# KiCad board panel_rp2354_20x20.kicad_pcb (continued)
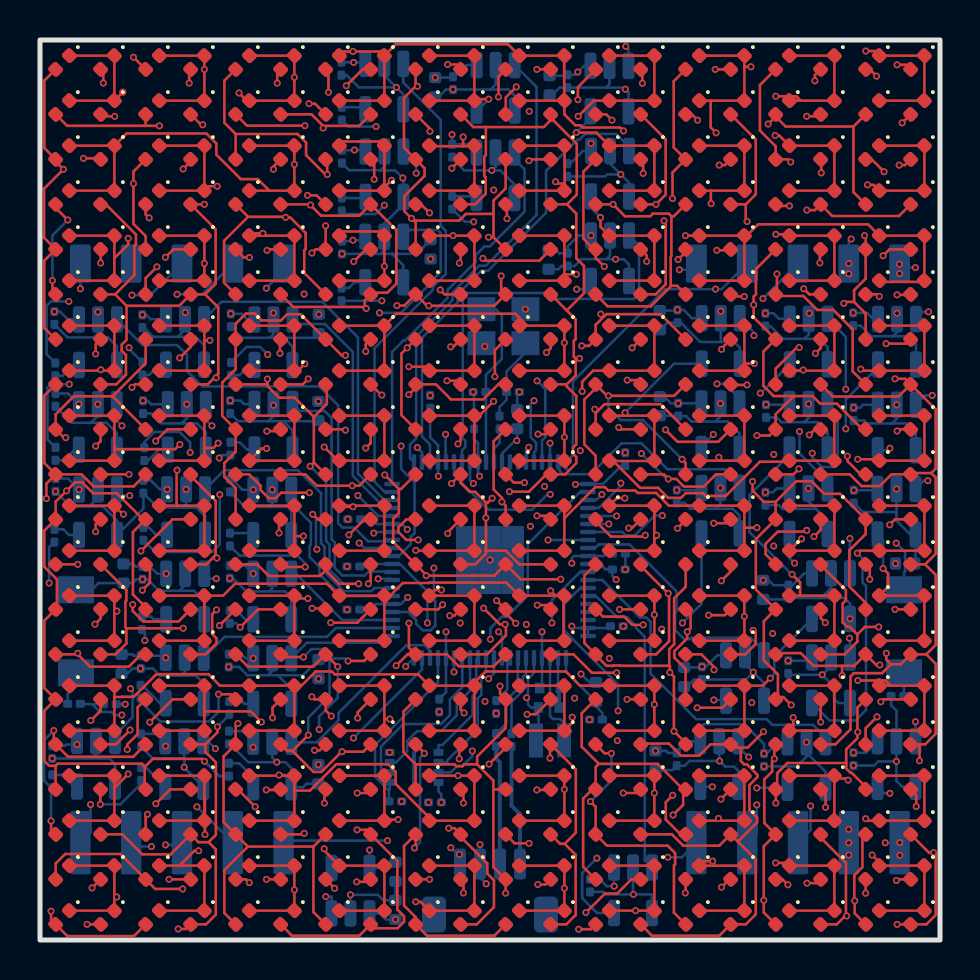
[diagram p0: board, top side]
## Routing (per net, layer and track width the routed paths; a pad name or vN(x,y) marks a point on that pad's centre or on a via; arc(x,y) is an arc through that point) (continued)
/drivers/COL_00: length 2
  Bottom w0.127: U3.5 10.66,8.13 9.95,8.83 R9.1
/drivers/COL_01: length 1.6
  Bottom w0.127: U4.5 5.31,8.61 R10.1
/drivers/COL_02: length 1.5
  Bottom w0.127: U5.5 1.7,7.67 1.12,8.25 R11.1
/drivers/COL_03: length 1.2
  Bottom w0.127: R12.1 10.1,11.92 10.22,11.81 U6.5
/drivers/COL_04: length 1.6
  Bottom w0.127: R13.1 5.1,12.73 6,11.84 U7.5
/drivers/COL_05: length 1.4
  Bottom w0.127: U8.5 10.26,16.04 9.83,16.47 R14.1
/drivers/COL_06: length 1.3
  Bottom w0.127: U9.5 5.67,16.04 5.55,16.17 R15.1
/drivers/COL_07: length 1.2
  Bottom w0.127: R16.1 10.55,20.34 U10.5
/drivers/COL_08: length 1.3
  Bottom w0.127: U11.5 5.81,20.26 5.45,20.62 R17.1
/drivers/COL_09: length 1.3
  Bottom w0.127: R18.1 1.16,20.53 1.45,20.25 U12.5
/drivers/COL_10: length 1.4
  Bottom w0.127: R19.1 9.98,24.89 10.34,24.53 U13.5
/drivers/COL_11: length 1.4
  Bottom w0.127: R20.1 5.4,23.97 5.94,24.51 U14.5
/drivers/COL_12: length 1.4
  Bottom w0.127: U15.5 1.73,24.51 1.2,23.98 0.77,23.98
/drivers/COL_13: length 1.4
  Bottom w0.127: U16.5 1.68,28.75 1.14,28.21 R22.1
/drivers/COL_14: length 1.2
  Bottom w0.127: R23.1 16.22,37.09 16.28,37.15
/drivers/COL_15: length 1.3
  Bottom w0.127: R24.1 15.44,32.6 15.73,32.89 U18.5
/drivers/COL_16: length 1.4
  Bottom w0.127: R25.1 9.97,28.23 10.48,28.75 U19.5
/drivers/COL_17: length 1.4
  Bottom w0.127: R26.1 5.45,28.25 5.97,28.77 U20.5
/drivers/COL_18: length 1.2
  Bottom w0.127: U21.5 16.16,41.64 R27.1
/drivers/COL_19: length 1.3
  Bottom w0.127: U22.5 21.74,37.19 R28.1
/drivers/COL_MCU_00: length 9.7
  Bottom w0.127: U3.3 12.59,9.88 13.83,9.88 14.93,10.98 14.93,11.35 18.32,14.74 19.22,14.74 19.5,14.46 U2.78
/drivers/COL_MCU_01: length 13.4
  In4.Cu w0.127: v1(15.67,10.1) 15.45,9.88 13.26,9.88 13.1,10.04 9.24,10.04 v1(8.77,9.57)
  Bottom w0.127: U2.79 19.1,13.53 v1(15.67,10.1) ; U4.3 8.4,9.94 v1(8.77,9.57)
/drivers/COL_MCU_02: length 17.8
  In4.Cu w0.127: v1(4.53,12.57) 4.65,12.69 17.3,12.69 v1(18.29,13.68)
  Bottom w0.127: U5.3 3.75,10.26 4.63,11.14 4.63,12.47 v1(4.53,12.57) ; v1(18.29,13.68) 18.29,13.69 U2.80
/drivers/COL_MCU_03: length 5.5
  Bottom w0.127: U2.1 17.27,14.86 13.34,14.86 U6.3
/drivers/COL_MCU_04: length 10
  Bottom w0.127: U7.3 9.23,15.16 14.35,15.16 14.79,15.6 U2.2
/drivers/COL_MCU_05: length 6
  Bottom w0.127: U8.3 12.79,18.31 15.11,16 U2.3
/drivers/COL_MCU_06: length 18
  In4.Cu w0.127: v1(19.69,18.6) 18.74,18.6 17.52,17.38 16.5,17.38 16.44,17.44 9.44,17.44 v1(8.81,18.07)
  Bottom w0.127: U9.3 8.46,18.07 v1(8.81,18.07) ; U2.4 18.4,16.4 18.81,15.99 18.81,15.81 19.13,15.48 19.53,15.48 19.76,15.72 19.76,16.93 19.69,17 v1(19.69,18.6)
/drivers/COL_MCU_07: length 8.9
  Bottom w0.127: U2.6 17.59,17.19 15.08,17.19 13.97,18.3 13.97,18.66 13.48,19.15 13.48,19.69 13.54,19.75 13.54,20.86 12.56,21.84 U10.3
/drivers/COL_MCU_08: length 14.5
  Bottom w0.127: U11.3 9.21,23.49 12.9,23.49 14.05,22.34 14.05,19.85 14.23,19.67 14.23,18.4 15.18,17.44 16.57,17.44 16.73,17.6 U2.7
/drivers/COL_MCU_09: length 17.4
  In4.Cu w0.127: v1(16.91,18.06) 16.79,18.17 15.79,18.17 15.56,17.95 10.42,17.95 9.69,18.68 8.48,18.68 6.74,20.42 4.49,20.42 3.81,21.1 3.81,21.55 v1(4.48,22.22)
  Bottom w0.127: U2.8 17.54,18.06 v1(16.91,18.06) ; v1(4.48,22.22) 4.15,22.22 U12.3
/drivers/COL_MCU_10: length 12.9
  Bottom w0.127: U2.9 17.58,18.42 16.44,18.42 16.24,18.23 15.12,18.23 14.73,18.61 14.73,19.88 14.58,20.04 14.58,26.1 14.23,26.45 12.98,26.45 U13.3
/drivers/COL_MCU_11: length 17.7
  In4.Cu w0.127: v1(18.06,24.7) 16.88,25.87 8.76,25.87 v1(8.6,25.71)
  Bottom w0.127: U2.11 17.94,19.2 18.54,19.8 18.54,20.15 18.73,20.34 18.73,22.88 18.06,23.55 v1(18.06,24.7) ; U14.3 8.29,26.01 v1(8.6,25.71)
/drivers/COL_MCU_12: length 17.5
  In4.Cu w0.127: v1(4.1,25.71) 6.83,22.98 6.83,22.46 8.15,21.14 13.27,21.14 14.56,19.85 v1(15.96,19.85)
  Bottom w0.127: v1(4.1,25.71) 3.84,25.97 U15.3 ; v1(15.96,19.85) 16.21,19.6 U2.12
/drivers/COL_MCU_13: length 22.3
  Bottom w0.127: 3.85,31.02 5.13,29.75 6.86,29.75 7.35,29.26 7.35,28.45 8.12,27.68 13.96,27.68 14.91,26.73 14.91,20.84 15.12,20.62 15.71,20.62 16.4,19.93 17.54,19.93 U2.13
/drivers/COL_MCU_14: length 21.3
  In3.Cu w0.127: v1(18.81,38.34) 18.94,38.21 18.94,35.93 18.81,35.81 18.81,25.3 18.5,24.99 18.5,22.16 v1(16.69,20.34)
  Bottom w0.127: U2.14 16.74,20.4 v1(16.69,20.34) ; 18.17,39.42 18.81,38.79 v1(18.81,38.34)
/drivers/COL_MCU_15: length 19.8
  In3.Cu w0.127: v1(16.97,31.35) 15.89,30.27 15.89,23.02 16.05,22.86 16.05,22.39 v1(15.89,22.22)
  Bottom w0.127: v1(16.97,31.35) 18.05,31.35 19.39,32.7 19.39,32.76 20.03,33.4 20.03,35.35 19.88,35.51 18.5,35.51 U18.3 ; v1(15.89,22.22) 16.92,21.2 U2.16
/drivers/COL_MCU_16: length 12.5
  Bottom w0.127: 12.62,31.02 12.85,30.8 14.24,30.8 15.64,29.4 15.64,23.2 17.24,21.6 U2.17
/drivers/COL_MCU_17: length 17.9
  Bottom w0.127: U20.3 9.07,31.91 14.12,31.91 15.9,30.13 15.9,23.32 17.22,22 U2.18
/drivers/COL_MCU_18: length 24.3
  Bottom w0.127: U2.19 17.23,22.4 16.73,22.91 16.73,29.59 19.65,32.51 19.65,32.66 20.29,33.3 20.29,35.46 20.03,35.71 20.03,41.01 18.16,42.88 U21.3
/drivers/COL_MCU_19: length 19.7
  Bottom w0.127: 23.72,39.38 23.72,39.04 24.23,38.54 24.23,36.41 22.49,34.68 22.22,34.68 21.78,34.23 21.78,33.89 20.38,32.5 20.38,32.1 18.26,29.99 18.19,29.99 17.6,29.41 U2.20
/drivers/ROW_00: length 71.2
  Top w0.127: 38.03,41.97 D381.1 D341.1 D321.1 ; 38.03,41.97 37.81,42.19 v1(36.79,42.19) ; 38.03,41.97 D361.1 ; D241.1 D261.1 D301.1 D281.1 27.69,41.97 v1(26.91,41.19) ; D61.1 D21.1 D1.1 ; D61.1 D41.1 ; D61.1 v1(4.14,42.39) ; D161.1 D181.1 D221.1 ; D221.1 D201.1 19.35,42.09 ; D221.1 21.79,42.04 v1(22.44,42.04) ; v1(9.95,42.35) 10.33,41.97 D121.1 D141.1 v1(12.72,43.13) D101.1 D81.1
  In4.Cu w0.127: v1(36.79,42.19) 35.96,41.36 27.08,41.36 v1(26.91,41.19) 26.79,41.07 23.41,41.07 v1(22.44,42.04) 16.93,42.04 15.84,43.13 v1(12.72,43.13) ; v1(9.95,42.35) 9.91,42.39 v1(4.14,42.39)
  Bottom w0.127: v1(22.44,42.04) 21.86,41.47 U23.5
/drivers/ROW_01: length 72.9
  Top w0.127: D82.1 D102.1 v1(12.72,38.78) D142.1 11.47,37.47 ; 11.47,37.47 D122.1 ; 11.47,37.47 10.89,38.04 10.04,38.04 8.82,39.27 8.82,39.82 8.32,40.33 4.33,40.33 D22.1 ; D22.1 D62.1 D42.1 ; D22.1 D2.1 ; 21.15,39.69 21.16,39.69 v1(21.16,40.15) ; 21.15,39.69 21.69,39.69 D182.1 D222.1 D202.1 ; 21.15,39.69 19.5,39.69 D162.1 ; v1(36.76,40.23) 36.96,40.23 D322.1 D342.1 D382.1 D362.1 ; D282.1 D302.1 D262.1 D242.1 27.82,40.37 v1(26.81,40.37)
  In4.Cu w0.127: 26.81,40.26 28.85,40.26 29.12,39.99 36.53,39.99 v1(36.76,40.23) ; 26.81,40.26 26.7,40.15 v1(21.16,40.15) 19.79,38.78 v1(12.72,38.78) ; 26.81,40.26 26.81,40.37 v1(26.81,40.37)
  Bottom w0.127: U24.5 27.53,41.09 v1(26.81,40.37)
/drivers/ROW_02: length 77.7
  Top w0.127: v1(4.41,35.08) 4.41,34.78 3.72,34.09 ; v1(28.03,36.13) 28.03,35.66 D243.1 D263.1 D303.1 30.72,32.97 28.47,32.97 D283.1 ; v1(11.15,35.33) 10.58,35.33 D83.1 D103.1 D143.1 D123.1 ; D363.1 D383.1 D343.1 D323.1 37.4,35.28 v1(36.79,35.28) ; D163.1 v1(20.65,35.22) D183.1 D223.1 D203.1 ; 3.72,34.09 D63.1 D43.1 ; 3.72,34.09 D23.1 D3.1
  In4.Cu w0.127: v1(4.41,35.08) 4.66,35.33 v1(11.15,35.33) 14.69,35.33 15.4,34.62 20.05,34.62 v1(20.65,35.22) 20.65,35.41 21.68,36.43 27.72,36.43 v1(28.03,36.13) 28.22,36.32 35.38,36.32 36.13,37.07 38.29,37.07 38.74,36.62 38.74,36.37 37.65,35.28 v1(36.79,35.28)
  Bottom w0.127: v1(28.03,36.13) 27.55,36.6 U25.5
/drivers/ROW_03: length 75.7
  Top w0.127: 12.72,28.54 D144.1 D124.1 ; 12.72,28.54 12.97,28.54 v1(13.24,28.81) ; 12.72,28.54 D104.1 D84.1 ; D324.1 D344.1 D384.1 38.01,28.47 ; v1(38.16,28.5) 38.04,28.5 38.01,28.47 ; D4.1 D24.1 D64.1 3.08,28.47 ; 3.08,28.47 D44.1 ; 3.08,28.47 v1(3.04,28.51) ; 38.01,28.47 D364.1 ; v1(27.11,27.43) 27.11,27.91 27.66,28.47 D284.1 D304.1 D264.1 D244.1 ; v1(18.44,28.66) 19.27,28.66 D204.1 D224.1 D184.1 D164.1
  In4.Cu w0.127: 13.24,28.66 v1(13.24,28.81) ; 13.24,28.66 13.09,28.51 v1(3.04,28.51) ; 13.24,28.66 v1(18.44,28.66) 19.51,27.6 21.34,27.6 21.51,27.77 22.91,27.77 24.13,26.55 26.23,26.55 v1(27.11,27.43) 27.63,26.9 27.89,26.9 27.95,26.84 28.88,26.84 29.38,27.34 v1(36.01,27.34)
  Bottom w0.127: v1(36.01,27.34) 36.04,27.34 U26.5 37.78,28.5 v1(38.16,28.5)
/drivers/ROW_04: length 82.6
  Top w0.127: D185.1 D225.1 D205.1 ; D185.1 21.96,26.22 v1(22.68,26.93) ; D185.1 D165.1 ; 3.72,24.63 3.81,24.54 6.76,24.54 v1(6.99,24.78) ; 3.72,24.63 D25.1 D5.1 ; 3.72,24.63 D65.1 D45.1 ; D325.1 D345.1 D385.1 D365.1 37.41,23.91 36,23.91 34.29,22.2 33.29,22.2 33.15,22.34 32.29,22.34 32.05,22.11 31.41,22.11 30.9,22.61 30,22.61 28.66,23.95 28.49,23.95 ; 28.49,23.95 30.7,23.95 D305.1 D265.1 29.32,26.22 ; 28.49,23.95 D285.1 ; 29.32,26.22 29.25,26.29 v1(29.25,26.36) ; 29.32,26.22 D245.1 ; v1(11.33,24.58) 11.08,24.58 D125.1 D145.1 D105.1 D85.1
  In4.Cu w0.127: 8.21,25.03 8.21,25.88 8.68,26.35 22.09,26.35 v1(22.68,26.93) 23.44,26.17 27.89,26.17 28.08,26.36 v1(29.25,26.36) ; 8.21,25.03 8.76,24.48 11.23,24.48 v1(11.33,24.58) ; 8.21,25.03 7.25,25.03 v1(6.99,24.78)
  Bottom w0.127: U27.5 31.7,28.81 v1(29.25,26.36)
/drivers/ROW_05: length 86.6
  Top w0.127: D326.1 D346.1 D386.1 D366.1 38.06,20.06 v1(38.08,20.06) ; D6.1 D26.1 ; D26.1 4.15,21.29 v1(4.17,21.29) ; D26.1 D66.1 D46.1 ; D126.1 D146.1 12.72,20.2 ; v1(30.83,20.24) 30.83,20.14 30.72,20.03 ; 30.72,20.03 D306.1 D286.1 ; 30.72,20.03 D266.1 D246.1 28.84,22.09 v1(29.24,22.09) ; 12.72,20.2 D106.1 D86.1 ; 12.72,20.2 v1(13.17,20.2) ; v1(18.79,19.48) 18.81,19.47 D206.1 D226.1 D186.1 D166.1
  In3.Cu w0.127: v1(26.83,32.54) 27.47,31.9 27.47,26.79 27.37,26.69 27.37,26.39 27.63,26.13 27.63,23.7 v1(29.24,22.09)
  In4.Cu w0.127: v1(29.24,22.09) 28.88,22.09 27.74,23.24 23.11,23.24 21.76,21.88 21.4,21.88 19,19.48 v1(18.79,19.48) 18.48,19.17 13.69,19.17 13.17,19.69 v1(13.17,20.2) 12.65,20.72 4.75,20.72 v1(4.17,21.29) ; v1(38.08,20.06) 36.93,21.21 33.01,21.21 31.95,20.14 30.92,20.14 v1(30.83,20.24)
  Bottom w0.127: U28.5 27.14,32.54 v1(26.83,32.54)
/drivers/ROW_06: length 83.1
  Top w0.127: 3.72,16.32 D27.1 D7.1 ; 3.72,16.32 v1(3.84,16.45) ; 3.72,16.32 D67.1 D47.1 ; D127.1 D147.1 D107.1 ; D207.1 D227.1 D187.1 D167.1 19.75,17.5 v1(20.07,17.5) ; D247.1 D267.1 v1(30.72,16.26) D307.1 D287.1 ; D327.1 38.01,17.22 ; 38.01,17.22 38.01,17.88 v1(37.6,18.28) ; 38.01,17.22 D347.1 D387.1 D367.1 ; v1(13.4,17.08) 12.86,17.08 D107.1 ; D107.1 D87.1
  In4.Cu w0.127: v1(3.84,16.45) 3.84,16.5 4.48,17.14 4.79,17.14 4.85,17.08 v1(13.4,17.08) 17.58,17.08 18,17.5 v1(20.07,17.5) 21.92,17.5 24.83,20.41 26.48,20.41 27.92,18.97 30.17,18.97 30.72,18.43 ; 30.72,18.43 37.46,18.43 v1(37.6,18.28) ; 30.72,18.43 v1(30.72,16.26)
  Bottom w0.127: v1(37.6,18.28) 37.59,18.28 35.48,20.39 35.48,22.26 37.47,24.25 U29.5
/drivers/ROW_07: length 79.6
  Top w0.127: D128.1 D148.1 12.72,12.45 ; D288.1 D308.1 v1(30.72,11.78) D268.1 D248.1 27,12.72 26.29,13.43 22.28,13.43 21.72,12.87 D188.1 ; 12.72,12.45 D108.1 D88.1 9,12.72 8.42,13.29 5.82,13.29 4.69,12.16 4.11,12.16 4.1,12.15 3.72,12.15 ; 12.72,12.45 12.8,12.45 13.78,13.43 14.59,13.43 14.74,13.28 18.9,13.28 D168.1 D188.1 ; D188.1 D228.1 D208.1 ; 3.72,12.15 D28.1 D8.1 ; 3.72,12.15 D68.1 D48.1 ; D328.1 D348.1 D388.1 D368.1 37.66,10.66 v1(37.66,11.12)
  In3.Cu w0.127: v1(35.59,11.87) 34.82,12.63 34.82,24.12 v1(33.66,25.28)
  In4.Cu w0.127: v1(30.72,11.78) 30.92,11.98 33.01,11.98 33.35,11.64 35.36,11.64 v1(35.59,11.87) 36.91,11.87 v1(37.66,11.12)
  Bottom w0.127: U30.5 33.08,24.69 v1(33.66,25.28)
/drivers/ROW_08: length 95.4
  Top w0.127: 3.72,7.66 3.77,7.66 v1(4.41,8.3) ; 3.72,7.66 D69.1 D49.1 ; 3.72,7.66 D29.1 D9.1 ; D369.1 D389.1 39.72,8.07 ; v1(40.41,7.99) 40.33,8.07 39.72,8.07 ; D169.1 v1(20.9,8.22) D189.1 D229.1 D209.1 19.47,6.12 17.78,7.8 17.78,8.41 17.4,8.79 14.81,8.79 13.49,7.47 12.72,7.47 ; 12.72,7.47 D109.1 12.22,8.22 ; 12.72,7.47 D149.1 D129.1 ; D249.1 D269.1 v1(30.72,7.35) D309.1 D289.1 ; v1(11.95,8.25) 12.19,8.25 12.22,8.22 ; 12.22,8.22 D89.1 ; 39.72,8.07 D349.1 D329.1
  In3.Cu w0.127: v1(40.41,7.99) 40.46,7.99 41.25,8.78 41.25,10.55 41.11,10.69 41.11,12.36 41.26,12.51 41.26,13.72 40.87,14.11 40.87,18.78 41.26,19.17 41.26,24.59 v1(40.29,25.55)
  In4.Cu w0.127: v1(20.9,8.22) 29.85,8.22 v1(30.72,7.35) 30.97,7.6 31.79,7.6 32.09,7.3 33.78,7.3 33.9,7.41 35.52,7.41 35.69,7.23 39.65,7.23 v1(40.41,7.99) ; v1(4.41,8.3) 4.46,8.25 v1(11.95,8.25)
  Bottom w0.127: 41.9,28.78 41.9,28.63 40.29,27.02 v1(40.29,25.55)
/drivers/ROW_09: length 88.1
  Top w0.127: D130.1 D150.1 v1(12.72,2.51) D110.1 D90.1 ; D50.1 D70.1 3.72,2.03 ; 3.72,2.03 v1(3.84,2.15) ; 3.72,2.03 D30.1 D10.1 ; v1(18.79,1.91) 19.02,1.91 D210.1 D230.1 D190.1 D170.1 ; D250.1 D270.1 D310.1 v1(29.78,1.47) D290.1 ; v1(36.78,3.86) 37.33,3.86 D330.1 D350.1 D390.1 D370.1
  In3.Cu w0.127: v1(36.78,3.86) 38.91,5.98 38.91,9.91 38.03,10.79 38.03,18.55 v1(37.73,18.84)
  In4.Cu w0.127: v1(3.84,2.15) 12.36,2.15 v1(12.72,2.51) 13.45,1.78 18.65,1.78 v1(18.79,1.91) 29.43,1.91 29.78,1.56 ; v1(36.78,3.86) 34.48,1.56 29.78,1.56 ; 29.78,1.56 v1(29.78,1.47)
  Bottom w0.127: v1(37.73,18.84) 37.47,19.1 U32.5
/drivers/ROW_10: length 90.8
  Top w0.127: D51.1 D71.1 D31.1 6.97,3.72 ; 42.14,3.72 v1(41.61,4.25) ; 42.14,3.72 D351.1 D391.1 D371.1 ; 42.14,3.72 D331.1 ; D131.1 D151.1 D111.1 D91.1 14.21,4.48 v1(14.21,4.56) ; D211.1 D231.1 v1(26.22,2.59) D191.1 D171.1 ; 6.97,3.72 7.71,4.46 v1(7.93,4.46) ; 6.97,3.72 D11.1 ; v1(33.63,3.94) 33.19,3.94 D251.1 D271.1 D311.1 D291.1
  In3.Cu w0.127: v1(32.12,15.85) 31.86,15.59 31.86,11.38 32.15,11.09 32.15,5.43 v1(33.63,3.94)
  In4.Cu w0.127: v1(7.93,4.46) 8.03,4.56 v1(14.21,4.56) 14.87,3.9 24.91,3.9 v1(26.22,2.59) 27.35,3.72 33.41,3.72 v1(33.63,3.94) 33.92,4.23 36.98,4.23 37.33,3.88 41.24,3.88 v1(41.61,4.25)
  Bottom w0.127: v1(32.12,15.85) 33.08,16.81 U33.5
/drivers/ROW_11: length 92.4
  Top w0.127: D212.1 D232.1 v1(26.22,7.53) D192.1 D172.1 ; 33.92,5.97 D312.1 D272.1 D252.1 ; 33.92,5.97 v1(33.92,6.08) ; 33.92,5.97 D292.1 ; D152.1 D112.1 D92.1 ; D152.1 D132.1 ; D152.1 17.27,6.02 v1(17.9,6.02) ; D12.1 D32.1 8.22,7.09 ; 8.22,7.09 8.25,7.06 v1(8.25,5.27) ; 8.22,7.09 D72.1 D52.1 ; D332.1 D352.1 D392.1 D372.1 41.38,5.97 v1(41.29,6.06)
  In3.Cu w0.127: v1(42.5,24.59) 43.19,23.89 43.19,16.08 43.11,16 43.11,15.7 43.19,15.62 43.19,7.47 41.78,6.06 v1(41.29,6.06)
  In4.Cu w0.127: v1(8.25,5.27) 9,6.02 v1(17.9,6.02) 24.71,6.02 v1(26.22,7.53) 27.22,6.53 27.73,6.53 27.81,6.62 33.39,6.62 v1(33.92,6.08) 33.94,6.06 v1(41.29,6.06)
  Bottom w0.127: v1(42.5,24.59) 42.39,24.49 U34.5
/drivers/ROW_12: length 76.4
  Top w0.127: D373.1 D393.1 D353.1 42.53,12.72 ; D53.1 D73.1 8.22,11.43 ; 8.22,11.43 D33.1 D13.1 ; 8.22,11.43 10.54,11.43 v1(11.07,10.9) ; v1(36.51,13.09) 36.14,12.72 D273.1 ; D273.1 D313.1 D293.1 ; D273.1 D253.1 ; 17.22,11.05 D113.1 D93.1 ; 17.22,11.05 D153.1 D133.1 ; 17.22,11.05 v1(17.5,11.05) ; D333.1 42.53,12.72 ; 42.53,12.72 42.27,12.98 v1(40.89,12.98) ; v1(26.61,11.14) 26.61,10.86 D233.1 ; D233.1 D213.1 ; D233.1 D193.1 D173.1
  In4.Cu w0.127: v1(11.07,10.9) 11.26,10.71 13,10.71 13.19,10.89 14.11,10.89 14.29,10.71 17.24,10.71 17.5,10.97 ; 17.5,10.97 17.58,10.89 26.36,10.89 v1(26.61,11.14) 28.35,12.88 36.51,12.88 ; 17.5,10.97 v1(17.5,11.05) ; 36.51,12.88 36.59,12.8 40.72,12.8 v1(40.89,12.98) ; 36.51,12.88 v1(36.51,13.09)
  Bottom w0.127: U35.5 36.72,14.17 36.72,13.29 v1(36.51,13.09)
/drivers/ROW_13: length 78.8
  Top w0.127: D54.1 D74.1 D34.1 ; v1(42.15,18.58) 42.41,18.32 42.41,17.66 D334.1 D354.1 D394.1 D374.1 ; 14.94,15 D134.1 D154.1 17.22,16.93 ; 17.22,16.93 18.14,17.85 19.46,17.85 19.48,17.87 23.32,17.87 D174.1 25.77,17.22 ; 17.22,16.93 D114.1 D94.1 14.95,17.2 ; D214.1 D234.1 26.18,15.01 26.18,17.18 D194.1 25.77,17.22 ; 35.22,16.18 D314.1 D294.1 ; 35.22,16.18 v1(35.22,16.18) ; 35.22,16.18 D274.1 D254.1 ; D34.1 9.16,17.22 9.75,17.81 14.34,17.81 14.95,17.2 ; D34.1 D14.1 ; 14.95,17.2 14.94,17.19 ; 25.77,17.22 v1(25.53,17.46)
  In4.Cu w0.127: 40.91,16.45 42.15,17.7 v1(42.15,18.58) ; 40.91,16.45 40.91,15.02 40.6,14.71 28.28,14.71 v1(25.53,17.46) ; 40.91,16.45 35.49,16.45 v1(35.22,16.18)
  Bottom w0.127: v1(42.15,18.58) 42.15,20 41.88,20.28
/drivers/ROW_14: length 98.5
  Top w0.127: 6.83,21.72 D35.1 D75.1 D55.1 ; 6.83,21.72 D15.1 ; 6.83,21.72 6.83,23.47 v1(6.85,23.49) ; 35.22,20.61 D315.1 D295.1 ; 35.22,20.61 D275.1 D255.1 31.44,21.72 30.8,22.35 29.88,22.35 29.76,22.47 28.42,22.47 28.25,22.64 27.77,22.64 26.22,21.09 ; 35.22,20.61 v1(35.85,20.61) ; 26.22,21.09 D235.1 D215.1 ; 26.22,21.09 D195.1 D175.1 ; D135.1 D155.1 D115.1 D95.1 15.02,21.66 v1(15.65,21.66) ; v1(40.86,19.34) 40.99,19.47 D375.1 D395.1 D355.1 D335.1
  In4.Cu w0.127: v1(40.86,19.34) 38.32,19.34 38.07,19.6 37.45,19.6 36.44,20.61 v1(35.85,20.61) 35.1,19.87 28.81,19.87 28.04,20.65 28.04,20.92 28.68,21.56 29.3,21.56 29.65,21.91 29.65,22.22 29.41,22.47 28.87,22.47 27.84,23.49 22.85,23.49 21.82,22.46 16.64,22.46 15.85,21.66 v1(15.65,21.66) 14.37,22.94 7.4,22.94 v1(6.85,23.49)
  Bottom w0.127: v1(40.86,19.34) 41.12,19.08 41.12,17.88 41.3,17.71 41.3,11.5 40.78,10.98 39.47,10.98 U37.5
/drivers/ROW_15: length 84.4
  Top w0.127: 8.22,24.6 8.67,24.6 v1(8.91,24.84) ; 8.22,24.6 D76.1 D56.1 ; 8.22,24.6 D36.1 D16.1 ; D216.1 D236.1 v1(26.22,25.14) D196.1 D176.1 ; D256.1 D276.1 D316.1 33.94,23.97 ; 33.94,23.97 D296.1 ; 33.94,23.97 v1(33.94,24.14) ; v1(14.21,24.65) 14.89,23.97 D136.1 D156.1 D116.1 D96.1 ; v1(40.89,24.04) 41.9,24.04 D376.1 D396.1 D356.1 D336.1
  In3.Cu w0.127: v1(33.94,24.14) 34.44,23.64 34.44,12.75 v1(33.69,12)
  In4.Cu w0.127: v1(40.89,24.04) 40.89,24.2 40.33,24.76 33.94,24.76 ; 33.94,24.76 v1(33.94,24.14) ; 33.94,24.76 30.67,24.76 30.41,25.01 26.22,25.01 ; 14.21,25.02 17.22,25.02 17.98,24.26 25.46,24.26 26.22,25.01 ; 14.21,25.02 v1(14.21,24.65) ; 14.21,25.02 9.08,25.02 v1(8.91,24.84) ; 26.22,25.01 v1(26.22,25.14)
  Bottom w0.127: U38.5 34.26,12 v1(33.69,12)
/drivers/ROW_16: length 99.9
  Top w0.127: 24.36,30.72 23.77,31.31 17.81,31.31 D117.1 ; 24.36,30.72 D177.1 ; 24.36,30.72 D197.1 v1(26.22,29.86) D237.1 D217.1 ; D57.1 D77.1 8.22,29.98 ; D257.1 D277.1 35.22,28.82 ; D137.1 D157.1 D117.1 ; v1(8.49,29.98) 8.22,29.98 ; 8.22,29.98 D37.1 D17.1 ; D297.1 D317.1 35.22,28.82 ; 35.22,28.82 v1(35.72,28.82) ; D337.1 D357.1 D397.1 D377.1 41.12,28.47 v1(41.04,28.54) ; D117.1 D97.1
  In3.Cu w0.127: v1(42.49,7.33) 41.5,8.32 41.5,10.66 41.36,10.8 41.36,12.25 41.55,12.44 41.55,13.78 41.12,14.21 41.12,18.68 41.55,19.11 41.55,28.03 v1(41.04,28.54)
  In4.Cu w0.127: v1(8.49,29.98) 8.85,30.34 25.74,30.34 v1(26.22,29.86) 26.44,30.09 34.45,30.09 v1(35.72,28.82) 35.8,28.91 40.68,28.91 v1(41.04,28.54)
  Bottom w0.127: v1(42.49,7.33) 42.2,7.33 U39.5
/drivers/ROW_17: length 103.1
  Top w0.127: 35.22,35.1 D278.1 D258.1 32.97,35.22 v1(32.27,35.22) ; 35.22,35.1 35.91,35.78 41.4,35.78 D338.1 D358.1 D398.1 44.16,32.91 42.03,32.91 D378.1 ; 35.22,35.1 D318.1 D298.1 ; D178.1 D198.1 26.22,35.22 26.22,33.28 ; 26.22,33.28 v1(26.82,33.28) ; 26.22,33.28 26.22,32.97 D238.1 D218.1 ; D18.1 D38.1 v1(8.22,33.83) D78.1 D58.1 ; 14.97,35.02 D98.1 15.18,35.43 17.01,35.43 D118.1 v1(17.22,33.69) D158.1 D138.1
  In3.Cu w0.127: v1(32.27,35.22) 32.27,36.14 33.36,37.23 33.77,37.23 34.82,36.17 34.82,25.63 35.08,25.37 35.08,18.55 35.58,18.05 35.58,16.08 36.03,15.64 36.03,10.78 35.8,10.56 35.8,7.64 v1(35.84,7.6)
  In4.Cu w0.127: v1(32.27,35.22) 28.75,35.22 v1(26.82,33.28) 26.53,33.57 22.91,33.57 22.81,33.47 17.43,33.47 v1(17.22,33.69) 17.05,33.52 8.53,33.52 v1(8.22,33.83)
  Bottom w0.127: U40.5 35.85,7.61 v1(35.84,7.6)
/drivers/ROW_18: length 101.8
  Top w0.127: 8.22,37.69 D39.1 D19.1 ; 8.22,37.69 D79.1 D59.1 ; 8.22,37.69 v1(8.86,37.69) ; v1(33.55,36.82) 33.54,36.83 33.54,37.47 ; D99.1 15.18,39.93 17.01,39.93 D119.1 17.22,37.63 ; 26.23,37.82 26.23,39.71 D199.1 D179.1 ; 26.23,37.82 25.87,37.82 v1(25.78,37.91) ; 26.23,37.82 26.23,37.48 D239.1 D219.1 ; 33.54,37.47 D319.1 D279.1 D259.1 ; 33.54,37.47 D299.1 ; v1(41.37,37.76) 41.68,37.76 D379.1 D399.1 D359.1 D339.1 ; 17.22,37.63 v1(17.57,37.99) ; 17.22,37.63 D159.1 D139.1
  In3.Cu w0.127: v1(33.62,7.66) 32.47,8.81 32.47,11.13 32.11,11.48 32.11,14.65 32.74,15.28 32.74,36.01 v1(33.55,36.82)
  In4.Cu w0.127: v1(33.55,36.82) 33.29,37.08 33.29,37.32 ; 33.29,37.32 33.62,37.65 41.27,37.65 v1(41.37,37.76) ; 33.29,37.32 32.75,37.86 25.78,37.86 ; 25.78,37.86 22.53,37.86 22.36,37.69 17.87,37.69 v1(17.57,37.99) 17.26,37.67 8.88,37.67 v1(8.86,37.69) ; 25.78,37.86 v1(25.78,37.91)
  Bottom w0.127: U41.5 v1(33.62,7.66)
/drivers/ROW_19: length 110.9
  Top w0.127: 33.53,41.97 D320.1 35.22,43.66 ; 33.53,41.97 33.53,40.63 v1(33.81,40.36) ; 33.53,41.97 D300.1 ; D120.1 D160.1 D140.1 ; D120.1 17.01,44.43 v1(15.65,44.43) 15.18,44.43 D100.1 ; D120.1 17.79,44.79 23.39,44.79 D180.1 D200.1 26.21,44.21 26.21,41.98 D240.1 ; v1(41.29,44.45) 41.74,44.45 D340.1 D360.1 D400.1 D380.1 ; D240.1 26.22,41.28 26.76,40.74 27.02,40.74 27.13,40.62 29.01,40.62 v1(29.18,40.46) ; D240.1 D220.1 ; D20.1 D40.1 v1(8.22,43.53) D80.1 D60.1 ; D260.1 D280.1 35.22,43.66 ; 35.22,43.66 v1(35.55,43.66)
  In3.Cu w0.127: v1(27.85,4.09) 27.94,4.19 27.94,20.64 27.38,21.2 27.38,25.18 26.61,25.95 26.61,30.06 26.45,30.23 26.45,39.39 28.42,41.36 28.76,41.36 29.18,40.94 v1(29.18,40.46)
  In4.Cu w0.127: v1(35.55,43.66) 40.5,43.66 v1(41.29,44.45) ; v1(8.22,43.53) 14.76,43.53 v1(15.65,44.43) ; v1(29.18,40.46) 29.27,40.36 v1(33.81,40.36)
  Bottom w0.127: v1(27.85,4.09) 27.11,3.35 27.11,2.09 27.85,1.35 U42.5
/drivers/ROW_MCU_00: length 23.2
  Bottom w0.127: U2.21 18.5,24.1 18.5,24.77 18.81,25.08 18.81,30.17 20.63,32 20.63,32.39 21.96,33.71 22.29,33.71 24.83,36.25 24.83,42.65 23.73,43.74
/drivers/ROW_MCU_01: length 26.4
  In3.Cu w0.127: v1(18.86,24.62) 21.18,26.93 21.18,29.53 21.46,29.82 21.46,35.11 26.14,39.8 26.14,41.79 29.03,44.68 v1(29.29,44.68)
  Bottom w0.127: U24.3 29.42,44.54 v1(29.29,44.68) ; v1(18.86,24.62) 19.1,24.39 U2.22
/drivers/ROW_MCU_02: length 22.9
  Bottom w0.127: U2.23 19.5,24.78 19.1,25.18 19.1,30.11 20.88,31.89 20.88,32.28 22.06,33.46 22.4,33.46 25.31,36.37 25.31,38.46 26.85,40.01 26.96,40.01 27.26,40.3 28.81,40.3 29.45,39.67 U25.3
/drivers/ROW_MCU_03: length 26.2
  In4.Cu w0.127: v1(40.29,27.54) 38.75,26 28.07,26 27.99,25.92 20.92,25.92 v1(20.28,25.28)
  Bottom w0.127: U26.3 40.29,30.16 v1(40.29,27.54) ; v1(20.28,25.28) 20.28,23.92 U2.25
/drivers/ROW_MCU_04: length 27.3
  In3.Cu w0.127: v1(36.69,24.28) 36.69,29.23 v1(35.7,30.22) ; v1(25.51,22.28) 27.01,23.78 v1(27.01,24.47)
  In4.Cu w0.127: v1(27.01,24.47) 27.31,24.76 30.18,24.76 30.49,24.45 32.92,24.45 33.64,23.74 34.12,23.74 34.66,24.28 v1(36.69,24.28)
  Bottom w0.127: v1(35.7,30.22) 35.7,30.38 U27.3 ; v1(25.51,22.28) 25.37,22.28 24.61,21.52 22.42,21.52 20.7,23.24 U2.26
/drivers/ROW_MCU_05: length 20.6
  Bottom w0.127: U2.27 21.1,24.49 21.27,24.65 21.27,24.96 21.14,25.08 21.14,32.18 21.31,32.35 25.21,32.35 25.5,32.05 29.7,32.05 29.95,32.3 29.95,34.72 U28.3
/drivers/ROW_MCU_06: length 24.3
  In4.Cu w0.127: v1(38.61,24.34) 38.22,24.34 37.55,23.67 34.54,23.67 34.28,23.42 33.47,23.42 33.22,23.67 31.95,23.67 31.85,23.77 22.03,23.77 21.58,23.33 21.58,22.91 v1(21.67,22.82)
  Bottom w0.127: U29.3 39.88,26.29 39.88,23.86 39.67,23.65 39.09,23.65 38.61,24.13 v1(38.61,24.34) ; U2.28 21.5,22.99 v1(21.67,22.82)
/drivers/ROW_MCU_07: length 14.6
  In4.Cu w0.127: v1(33.85,27.8) 33.67,27.63 27.43,27.63 27.26,27.8 25.53,27.8 v1(24.7,26.96)
  Bottom w0.127: v1(24.7,26.96) 24.53,26.8 24.53,25.14 24.8,24.87 24.8,24.48 24.7,24.38 U2.36 ; U30.3 34.97,27.08 34.25,27.8 v1(33.85,27.8)
/drivers/ROW_MCU_08: length 26.3
  In4.Cu w0.127: v1(44.42,31.41) 41.13,28.12 34.05,28.12 33.81,28.36 25.26,28.36 v1(24.85,27.96)
  Bottom w0.127: v1(24.85,27.96) 25.27,27.55 25.27,25.14 25.1,24.98 U2.37 ; v1(44.42,31.41) 44.16,31.41 U31.3
/drivers/ROW_MCU_09: length 17.7
  In4.Cu w0.127: v1(25.5,24.84) 25.5,24.97 26.06,25.52 27.32,25.52 27.57,25.27 30.52,25.27 30.64,25.14 32.72,25.14 33.26,25.69 37.72,25.69 v1(37.98,25.43)
  Bottom w0.127: U32.3 39.38,22.92 37.98,24.32 v1(37.98,25.43) ; U2.38 v1(25.5,24.84)
/drivers/ROW_MCU_10: length 11.2
  Bottom w0.127: U33.3 34.97,22.81 34.25,23.54 31.37,23.54 30.08,24.83 29.08,24.83 27.53,23.29 26.15,23.29 25.98,23.46 25.98,23.82 U2.39
/drivers/ROW_MCU_11: length 21.8
  In4.Cu w0.127: v1(44.61,27.23) 44.61,26.16 41.64,23.19 37.8,23.19 37.69,23.3 34.53,23.3 34.39,23.16 33.36,23.16 33.11,23.42 31.27,23.42 31.05,23.2 31.05,22.95 29.32,21.22 28.85,21.22 v1(28.83,21.2)
  Bottom w0.127: U34.3 44.26,27.23 v1(44.61,27.23) ; U2.45 28.83,21.2 v1(28.83,21.2)
/drivers/ROW_MCU_12: length 15.8
  In4.Cu w0.127: v1(40.5,20.08) 39.12,21.46 32.21,21.46 31.61,20.86 29.69,20.86 29.58,20.96 29.28,20.96 29.12,20.8 v1(28.44,20.8)
  Bottom w0.127: U2.46 v1(28.44,20.8) ; v1(40.5,20.08) 40.5,18.34 U35.3
/drivers/ROW_MCU_13: length 19
  In4.Cu w0.127: v1(44.39,22.96) 43.14,21.71 31.61,21.71 v1(31.12,21.22)
  Bottom w0.127: v1(31.12,21.22) 30.73,21.22 29.74,20.23 29.28,20.23 29.11,20.4 U2.47 ; v1(44.39,22.96) 44.19,22.96 U36.3
/drivers/ROW_MCU_14: length 20.4
  In4.Cu w0.127: v1(25.4,20) 26.31,20 30.19,16.12 30.31,16.12 30.72,15.71 30.72,15.39 31.15,14.96 40.34,14.96 v1(40.47,15.09)
  Bottom w0.127: v1(40.47,15.09) 40.5,15.06 U37.3 ; U2.48 v1(25.4,20)
/drivers/ROW_MCU_15: length 12.6
  Bottom w0.127: U2.49 27.76,19.6 27.94,19.78 29.47,19.78 31.83,17.43 31.83,16.44 31.75,16.36 31.75,15.5 32.21,15.04 32.51,15.04 32.58,15.12 35.53,15.12 36.2,14.45 U38.3
/drivers/ROW_MCU_16: length 24.7
  In4.Cu w0.127: v1(43.78,10.91) 40.23,14.45 26.99,14.45 v1(25.59,15.85)
  Bottom w0.127: U39.3 v1(43.78,10.91) ; U2.52 27,18.4 25.59,16.99 v1(25.59,15.85)
/drivers/ROW_MCU_17: length 16.9
  Bottom w0.127: U40.3 39.28,10.13 38.65,10.76 36.62,10.76 36.33,11.04 32.81,11.04 30.53,13.32 30.53,15.91 30.31,16.12 29.99,16.12 28.11,18 U2.53